# KiCad board porcupine_4thumb_keys_routed.kicad_pcb (continued)
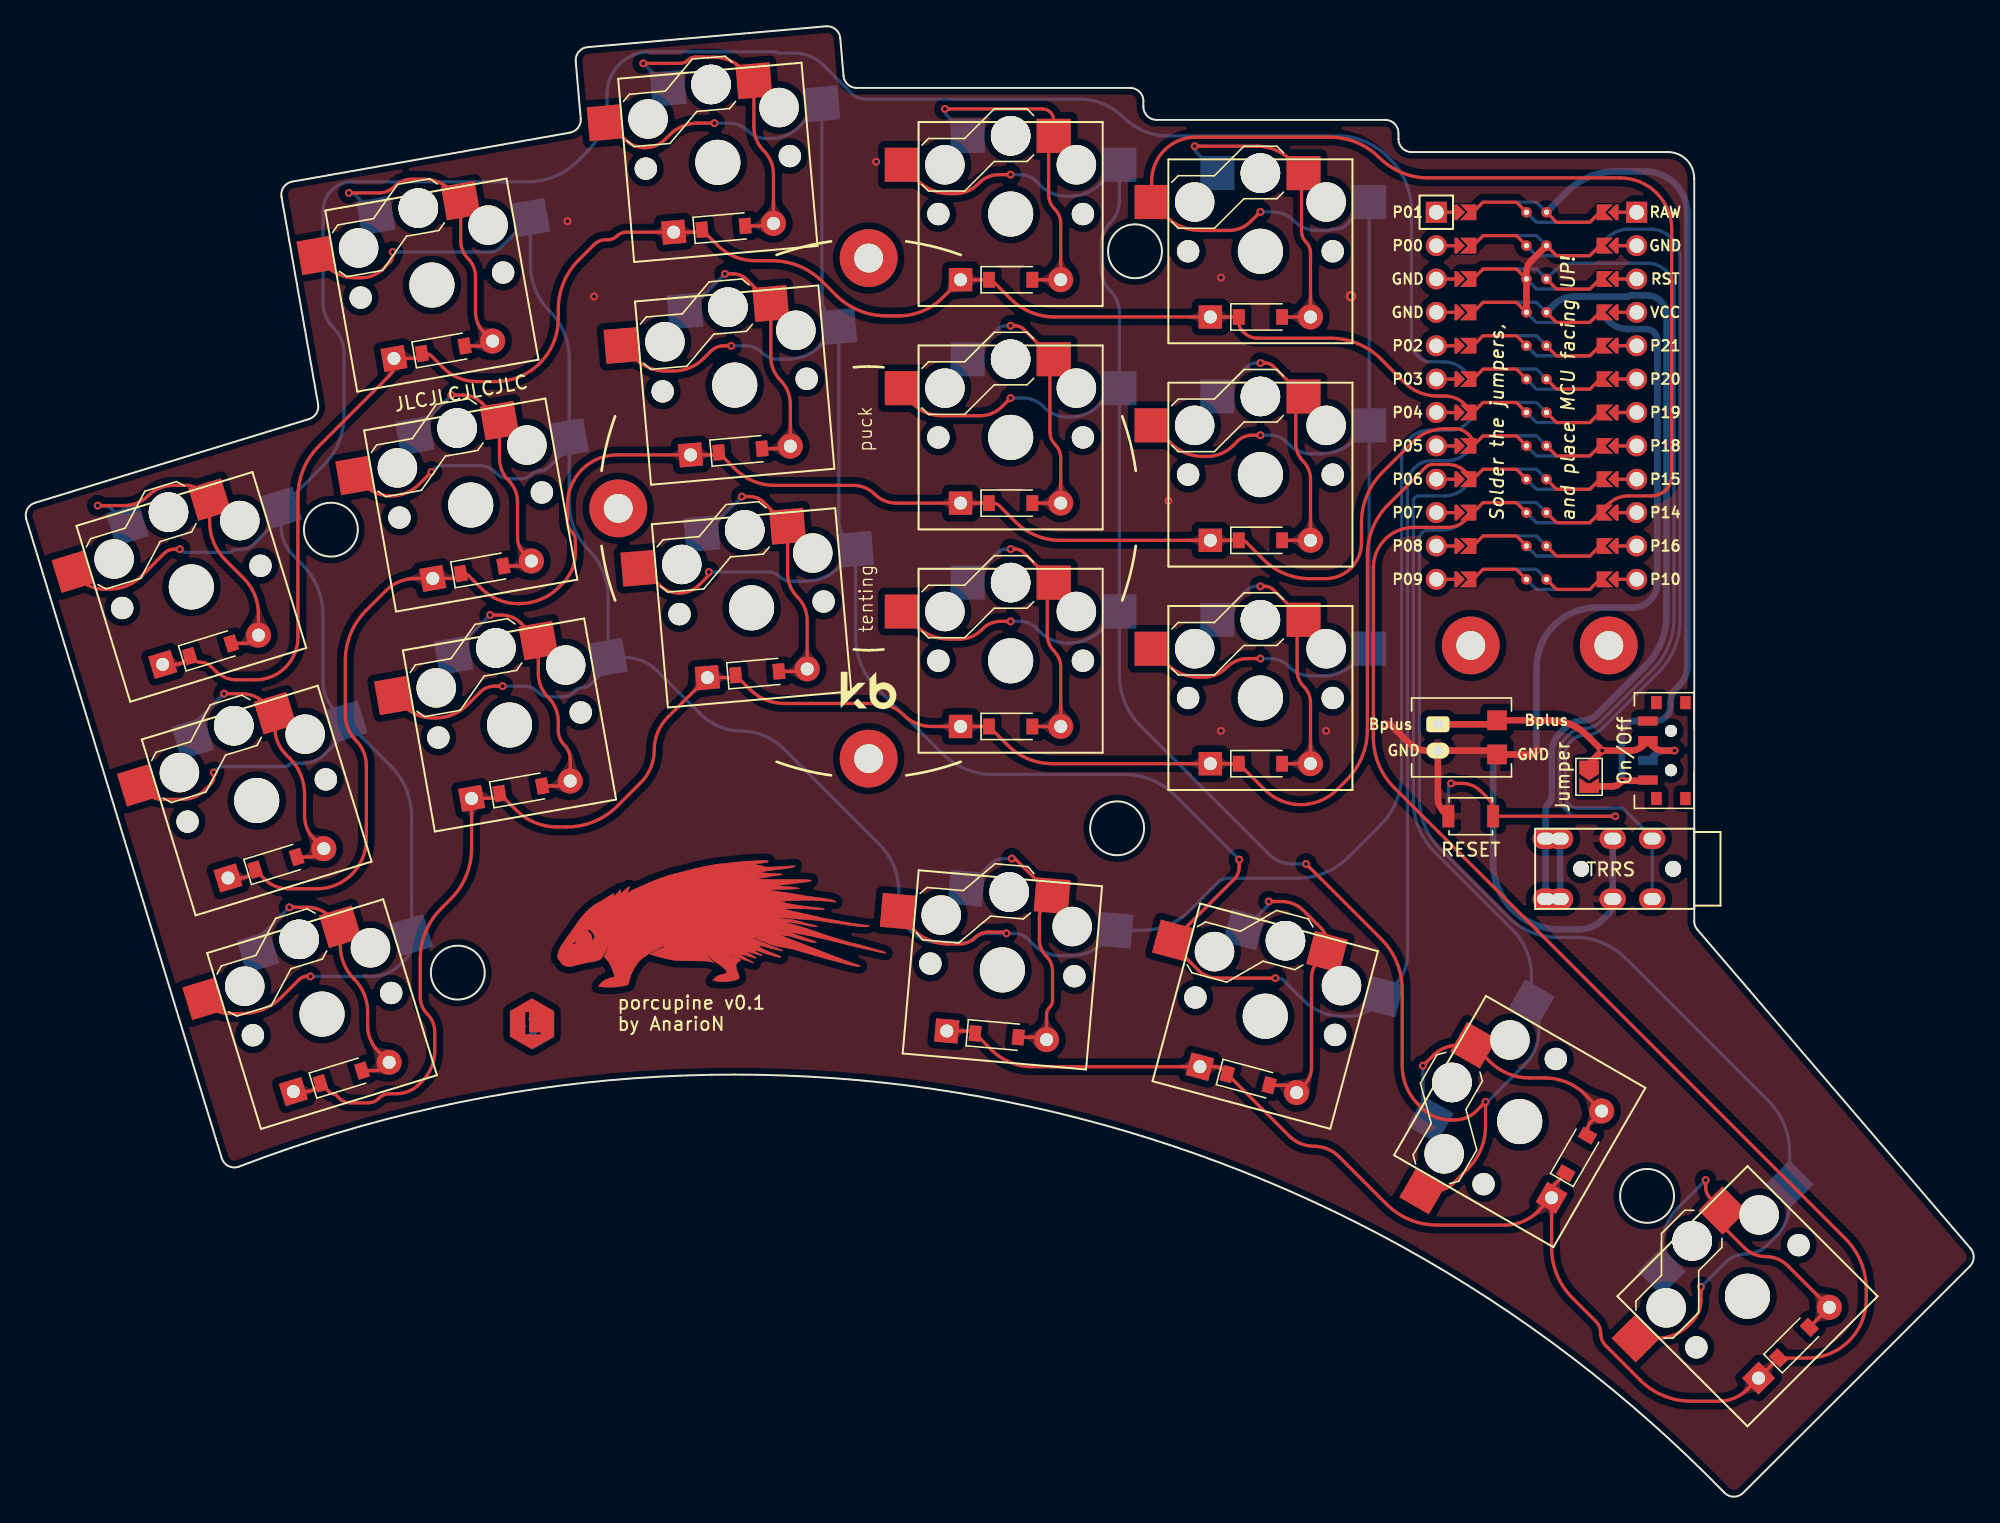
[diagram p0: board, top side]
## Routing (per net, layer and track width the routed paths; a pad name or vN(x,y) marks a point on that pad's centre or on a via; arc(x,y) is an arc through that point) (continued)
  Bottom w0.25: v1(94.51,45.3) 94.51,45.18 arc(94.49,45.07) 94.43,44.97 S17.1 ; 94.54,31.32 95.68,31.32 arc(96.04,31.24) 96.35,31.04 96.63,30.76
P0: length 65.4
  Bottom w0.25: MCU1.23 120.33,95.85 arc(121.02,96.31) 121.84,96.47 123.53,96.47 arc(124.4,96.3) 125.13,95.81 arc(125.62,95.08) 125.79,94.21 125.79,66.65 arc(125.38,64.57) 124.2,62.81 119.86,58.47 arc(119.31,58.1) 118.67,57.97 118.6,57.97 arc(118.01,57.86) 117.52,57.52 117.4,57.41 arc(117.15,57.04) 117.07,56.6 117.07,53.37 arc(117.14,53) 117.35,52.69 arc(117.66,52.49) 118.02,52.42 121.24,52.42 arc(121.41,52.38) 121.55,52.29 123.65,50.19 arc(123.67,50.16) 123.68,50.13 TRRS_B.R2
P4: length 144.1
  Top w0.25: 10.37,63.35 11.36,63.35 arc(11.77,63.43) 12.12,63.67 12.2,63.74 arc(12.44,63.84) 12.68,63.74 arc(12.95,63.56) 13.26,63.5 13.33,63.5 arc(13.71,63.43) 14.03,63.21 14.4,62.84 arc(15.14,62.35) 16,62.17 17.42,62.17 arc(18.66,62.42) 19.72,63.12 arc(20.42,64.18) 20.67,65.42 20.67,76.12 arc(21.08,78.2) 22.26,79.97 27.63,85.34 arc(27.88,85.71) 27.97,86.16 arc(28.11,86.49) 28.45,86.63 29.46,86.63 arc(29.7,86.68) 29.91,86.82 arc(30.12,86.96) 30.36,87.01 30.36,87.01 arc(30.61,86.96) 30.82,86.82 31.7,85.94 arc(32.88,85.15) 34.28,84.87 35.69,84.87 arc(37.52,85.24) 39.07,86.27 arc(40.1,87.82) 40.47,89.65 40.47,90.38 arc(40.87,92.41) 42.02,94.12 43.18,95.29 arc(43.61,95.57) 44.12,95.67 44.26,95.67 arc(44.64,95.75) 44.95,95.96 arc(45.27,96.17) 45.64,96.25 49.25,96.25 51.08,96.25 arc(51.2,96.27) 51.3,96.34 arc(51.4,96.38) 51.49,96.34 52.58,95.25 arc(53.88,94.38) 55.43,94.07 56.71,94.07 arc(58.79,93.66) 60.56,92.48 61.57,91.47 arc(63.34,90.29) 65.42,89.87 66.37,89.87 arc(68.17,90.23) 69.69,91.25 71.07,92.62 73.32,92.62 arc(73.41,92.61) 73.48,92.56 74.83,91.21 arc(76.4,90.16) 78.25,89.79 90.07,89.79 92.03,89.79 arc(92.17,89.73) 92.23,89.6 92.23,89.4 arc(92.3,89.04) 92.5,88.74 92.65,88.59 arc(93.11,88.28) 93.66,88.17 99.21,88.17 arc(101.29,87.76) 103.06,86.58 104.83,84.81 arc(105.98,84.04) 107.33,83.77 107.91,83.77 arc(108.73,83.61) 109.42,83.15 MCU1.18
  Bottom w0.25: 71.07,92.62 73.23,92.62 ; 51.4,96.43 51.3,96.34 arc(51.2,96.27) 51.08,96.25 49.25,96.25 ; 27.97,86.63 29.46,86.63 arc(29.7,86.68) 29.91,86.82 30.1,87.01 ; 12.44,63.98 12.12,63.67 arc(11.77,63.43) 11.36,63.35 10.37,63.35 ; 90.07,89.79 92.23,89.79
P5: length 148.1
  Top w0.25: 15.34,47.09 16.33,47.09 arc(16.74,47.17) 17.09,47.41 arc(17.41,47.54) 17.73,47.41 18.14,47 arc(18.94,46.46) 19.89,46.27 22.11,46.27 arc(23.55,46.56) 24.77,47.37 arc(25.58,48.59) 25.87,50.03 25.87,55.64 arc(25.66,56.69) 25.07,57.57 arc(24.47,58.46) 24.27,59.51 24.27,63.62 arc(24.68,65.7) 25.86,67.47 27.35,68.96 arc(28.38,69.65) 29.6,69.89 30.92,69.89 32.41,69.89 arc(32.65,69.94) 32.86,70.08 32.9,70.12 arc(33.07,70.23) 33.26,70.27 arc(33.46,70.23) 33.62,70.12 34.62,69.12 arc(35.89,68.27) 37.39,67.97 37.52,67.97 arc(39.13,68.3) 40.5,69.21 40.81,69.52 arc(41.52,70.58) 41.77,71.82 41.77,72.75 arc(41.69,73.14) 41.47,73.47 arc(41.24,73.81) 41.17,74.2 41.17,75.51 arc(41.45,76.95) 42.28,78.18 arc(43.5,79) 44.95,79.29 50.53,79.29 52.36,79.29 arc(52.48,79.32) 52.59,79.39 52.67,79.47 arc(52.68,79.47) 52.68,79.47 arc(52.68,79.46) 52.69,79.45 53.92,78.22 arc(55.3,77.3) 56.93,76.97 62.91,76.97 arc(63.79,76.8) 64.54,76.3 arc(65.29,75.8) 66.17,75.62 71.07,75.62 73.52,75.62 arc(73.79,75.57) 74.03,75.42 75.23,74.21 arc(76.8,73.16) 78.65,72.79 90.07,72.79 92.44,72.79 arc(92.63,72.75) 92.8,72.64 94.11,71.33 arc(95.72,70.25) 97.63,69.87 98.84,69.87 arc(99.88,70.08) 100.77,70.67 arc(101.36,71.56) 101.57,72.61 101.57,74.12 arc(101.98,76.2) 103.16,77.97 105.48,80.28 arc(106.57,81.02) 107.87,81.27 108.71,81.27 arc(109.22,81.17) 109.66,80.88 109.87,80.67 arc(110,80.47) 110.05,80.23 MCU1.17
  Bottom w0.25: 90.07,72.79 92.23,72.79 ; 17.41,47.72 17.09,47.41 arc(16.74,47.17) 16.33,47.09 15.34,47.09 ; 30.92,69.89 32.41,69.89 arc(32.65,69.94) 32.86,70.08 33.05,70.27 ; 50.53,79.29 52.36,79.29 arc(52.48,79.32) 52.59,79.39 52.68,79.48 ; 71.07,75.62 73.23,75.62
P6: length 152.2
  Top w0.25: 20.31,30.84 21.3,30.84 arc(21.71,30.92) 22.06,31.15 arc(22.38,31.28) 22.7,31.15 23.07,30.78 arc(23.18,30.7) 23.32,30.67 arc(23.46,30.65) 23.57,30.57 23.82,30.32 arc(24.2,30.06) 24.66,29.97 25.97,29.97 arc(26.43,30.06) 26.82,30.32 arc(27.2,30.58) 27.66,30.67 28.17,30.67 arc(29.09,30.86) 29.87,31.38 30.12,31.62 arc(30.82,32.68) 31.07,33.92 31.07,35.4 arc(30.92,36.11) 30.52,36.72 arc(30.11,37.33) 29.97,38.05 29.97,40.92 arc(30.38,43) 31.56,44.77 32.28,45.49 arc(33.46,47.25) 33.87,49.34 33.87,53.15 35.36,53.15 arc(35.61,53.2) 35.81,53.34 arc(36,53.42) 36.19,53.34 37.28,52.25 arc(38.69,51.31) 40.36,50.97 41.11,50.97 arc(43.19,51.39) 44.96,52.57 46.73,54.34 arc(47.5,55.49) 47.77,56.84 arc(48.04,58.19) 48.8,59.33 51.81,62.34 53.64,62.34 arc(53.76,62.36) 53.87,62.43 arc(53.96,62.47) 54.06,62.43 55.04,61.45 arc(56.23,60.65) 57.64,60.37 64.63,60.37 arc(65.77,60.15) 66.74,59.5 arc(67.71,58.85) 68.85,58.62 71.07,58.62 73.23,58.62 74.64,57.21 arc(76.21,56.16) 78.06,55.79 90.07,55.79 92.23,55.79 94.2,53.81 arc(95.47,52.97) 96.96,52.67 arc(98.44,52.97) 99.71,53.81 100.42,54.53 arc(101.6,56.3) 102.02,58.38 102.02,71.67 arc(102.43,73.75) 103.61,75.52 106.44,78.35 arc(106.68,78.51) 106.96,78.57 108.13,78.57 arc(108.87,78.42) 109.49,78 MCU1.16
  Bottom w0.25: 33.87,53.15 35.36,53.15 arc(35.61,53.2) 35.81,53.34 36,53.53 ; 22.38,31.47 22.06,31.15 arc(21.71,30.92) 21.3,30.84 20.31,30.84 ; 90.07,55.79 92.23,55.79 ; 71.07,58.62 73.23,58.62 ; 53.96,62.53 53.87,62.43 arc(53.76,62.36) 53.64,62.34 51.81,62.34
P7: length 182.2
  Top w0.25: 116.03,23.15 116.03,22.36 ; 116.03,23.15 arc(115.95,22.78) 115.75,22.47 ; 116.03,23.15 arc(116.1,23.51) 116.31,23.82 117.11,24.62 ; 116.03,22.36 116.03,18.97 arc(116.44,16.89) 117.62,15.12 119.38,13.36 arc(119.67,12.93) 119.77,12.42 arc(119.87,11.92) 120.16,11.49 122.77,8.87 arc(124.54,7.69) 126.62,7.27 128.77,7.27 arc(129.92,7.5) 130.89,8.15 132.92,10.17 arc(133.34,10.46) 133.84,10.56 135.5,10.56 arc(137.21,10.9) 138.66,11.87 arc(139.63,13.31) 139.97,15.03 139.97,15.8 arc(139.55,17.88) 138.37,19.65 104.06,53.96 arc(102.88,55.72) 102.47,57.81 102.47,70.7 arc(102.7,71.88) 103.37,72.87 arc(104.37,73.54) 105.54,73.78 108.13,73.78 arc(108.87,73.92) 109.49,74.34 MCU1.15 ; 116.03,22.36 arc(115.93,22.51) 115.75,22.47 ; 70.02,35.45 71.85,35.45 arc(71.97,35.42) 72.08,35.35 73.44,33.99 arc(74.84,33.06) 76.49,32.73 89.27,32.73 90.4,32.73 arc(90.77,32.66) 91.08,32.45 96.07,27.46 arc(96.94,26.88) 97.96,26.67 arc(98.98,26.47) 99.85,25.89 103.47,22.27 arc(105.24,21.09) 107.32,20.67 112.48,20.67 arc(113.83,20.94) 114.99,21.71 115.75,22.47
  Bottom w0.25: 72.17,35.26 72.08,35.35 arc(71.97,35.42) 71.85,35.45 70.02,35.45 ; 117.11,24.62 116.31,23.82 arc(116.1,23.51) 116.03,23.15 116.03,22.75 ; 89.27,32.73 90.4,32.73 arc(90.77,32.66) 91.08,32.45 91.36,32.17 ; 131.77,9.03 133.3,10.56
P14: length 250.6
  Top w0.25: S14.2 85.65,81.54 arc(85.7,81.53) 85.73,81.51 87.04,80.2 arc(88.18,79.44) 89.52,79.17 89.82,79.17 arc(90.88,79.38) 91.77,79.98 92.13,80.33 arc(92.63,80.67) 93.23,80.79 v1(93.88,80.79) ; MCU1.10 119.7,74.91 arc(119.7,74.91) 119.71,74.91 120.34,75.54 arc(121.03,76.01) 121.86,76.17 123.63,76.17 arc(124.22,76.29) 124.72,76.62 arc(125.05,77.12) 125.17,77.71 125.17,96.45 arc(124.87,97.95) 124.02,99.22 arc(122.74,100.08) 121.24,100.37 106.66,100.37 arc(104.63,100.78) 102.92,101.92 arc(101.2,103.07) 99.17,103.47 88.96,103.47 arc(87.67,103.22) 86.58,102.49 arc(85.86,101.4) 85.6,100.12 85.6,99.31 arc(85.74,98.6) 86.14,98 86.69,97.46 arc(87.89,96.66) 89.3,96.37 91.46,96.37 arc(92.38,96.56) 93.17,97.08 v1(93.88,97.79) ; v1(93.88,63.79) 92.93,63.79 arc(92.06,63.62) 91.31,63.12 91.27,63.08 arc(90.49,62.56) 89.56,62.37 89.17,62.37 arc(87.88,62.63) 86.78,63.36 S13.2 ; S19.2 124.08,12.06 arc(125.35,12.31) 126.42,13.03 126.7,13.31 arc(127.21,14.08) 127.39,14.98 v1(127.39,15.97)
  Bottom w0.25: v1(127.39,15.97) 129.24,17.81 arc(129.97,18.3) 130.83,18.47 arc(131.7,18.65) 132.43,19.13 133.09,19.8 arc(133.86,20.95) 134.13,22.3 134.13,26.26 arc(133.71,28.34) 132.53,30.11 121.66,40.98 arc(119.89,42.16) 117.81,42.57 116.52,42.57 arc(114.44,42.99) 112.67,44.17 107.56,49.28 arc(106.38,51.05) 105.97,53.13 105.97,72.89 arc(106.02,73.15) 106.17,73.37 arc(106.39,73.52) 106.65,73.57 107.73,73.57 arc(108.6,73.75) 109.33,74.24 109.97,74.88 arc(110,74.9) 110.02,74.9 MCU1.10 ; 101.61,81 101.07,80.46 arc(99.87,79.66) 98.45,79.37 97.77,79.37 arc(96.84,79.56) 96.06,80.08 95.87,80.27 arc(95.29,80.66) 94.61,80.79 v1(93.88,80.79) ; 101.61,81 arc(101.96,81.07) 102.15,80.77 ; 101.61,81 arc(102.01,81.6) 102.15,82.31 ; 102.15,80.77 102.15,66 arc(101.88,64.65) 101.12,63.51 arc(99.97,62.74) 98.62,62.47 97.7,62.47 arc(96.84,62.65) 96.11,63.13 96.01,63.23 arc(95.39,63.65) 94.66,63.79 v1(93.88,63.79) ; 102.15,80.77 102.15,82.31 ; 102.15,82.31 S15.2 100.38,96.76 arc(100.05,96.55) 99.68,96.47 99.34,96.47 arc(99.27,96.46) 99.22,96.42 arc(99.16,96.39) 99.1,96.37 98.17,96.37 arc(97.24,96.56) 96.46,97.08 96.41,97.13 arc(95.68,97.62) 94.81,97.79 v1(93.88,97.79)
P15: length 211
  Top w0.25: v1(74.88,100.62) 74,100.62 arc(73.18,100.46) 72.49,100 72.39,99.9 arc(71.59,99.36) 70.64,99.17 70.23,99.17 arc(68.91,99.44) 67.79,100.19 S12.2 ; S10.2 67.65,66.32 arc(68.82,65.55) 70.19,65.27 71.01,65.27 arc(71.89,65.45) 72.64,65.95 72.76,66.07 arc(73.38,66.48) 74.1,66.62 v1(74.88,66.62) ; v1(97.35,48.16) 103.07,42.44 arc(104.25,40.67) 104.67,38.59 104.67,32.77 arc(104.98,31.2) 105.87,29.87 106.16,29.58 arc(107.16,28.91) 108.35,28.67 108.65,28.67 arc(109.55,28.85) 110.31,29.36 v1(111,30.05) 111,28.18 arc(110.66,26.45) 109.68,24.99 108.57,23.88 arc(107.89,23.42) 107.09,23.26 S18.2 ; v1(74.88,83.62) 74.2,82.95 arc(73.46,82.45) 72.57,82.27 69.61,82.27 arc(68.46,82.5) 67.48,83.16 66.72,83.92 arc(66.63,84.05) 66.6,84.21 S11.2
  Bottom w0.25: v1(74.88,66.62) 75.6,66.62 arc(76.26,66.49) 76.83,66.12 77.14,65.8 arc(78.06,65.19) 79.13,64.97 79.36,64.97 arc(80.65,65.23) 81.74,65.96 S10.2 ; v1(74.88,100.62) 75.6,100.62 arc(76.26,100.49) 76.83,100.12 77.14,99.8 arc(78.06,99.19) 79.13,98.97 79.36,98.97 arc(80.65,99.23) 81.74,99.96 S12.2 83.15,98.64 arc(82.97,97.73) 82.46,96.97 arc(81.95,96.2) 81.77,95.29 81.77,93.45 arc(81.95,92.55) 82.46,91.78 arc(82.97,91.01) 83.15,90.11 83.15,84.52 ; S10.2 83.15,62.53 arc(83.57,60.45) 84.75,58.68 94.53,48.9 arc(95.35,48.35) 96.31,48.16 v1(97.35,48.16) ; S10.2 83.15,84.23 ; 83.15,84.23 83.15,84.52 ; 83.15,84.23 arc(83.11,84.33) 83.01,84.37 ; 83.15,84.52 arc(83.11,84.42) 83.01,84.37 ; MCU1.9 109.42,76.81 arc(108.72,76.34) 107.89,76.17 105.94,76.17 arc(105.78,76.14) 105.64,76.05 arc(105.55,75.91) 105.52,75.75 105.52,52.94 arc(105.93,50.86) 107.11,49.09 113.04,43.17 arc(114.11,41.56) 114.49,39.65 114.49,38 arc(114.57,37.63) 114.78,37.31 arc(114.99,36.99) 115.07,36.61 115.07,35.5 arc(114.79,34.09) 113.99,32.9 111.2,30.1 arc(111.14,30.07) 111.07,30.05 v1(111,30.05) ; v1(74.88,83.62) 75.8,83.62 arc(76.65,83.45) 77.37,82.97 77.44,82.9 arc(78.24,82.36) 79.19,82.17 79.42,82.17 arc(80.57,82.4) 81.55,83.06 82.77,84.27 arc(82.88,84.35) 83.01,84.37
P18: length 208.2
  Top w0.25: v1(51.92,70.38) 51.92,70.25 arc(51.9,70.14) 51.83,70.04 51.2,69.41 arc(50.5,68.94) 49.67,68.77 arc(48.84,68.94) 48.13,69.41 46.97,70.57 arc(46.86,70.64) 46.74,70.67 S7.2 ; S9.2 44.15,104.57 arc(44.26,104.55) 44.35,104.49 45.53,103.31 arc(46.24,102.84) 47.07,102.67 arc(47.9,102.84) 48.6,103.31 48.95,103.66 arc(49.93,104.32) 51.09,104.55 v1(52.34,104.55) ; v1(92.26,48.49) 92.26,47.93 arc(92.16,47.42) 91.87,46.98 87.34,42.45 arc(87.25,42.32) 87.22,42.17 arc(87.25,42.01) 87.34,41.88 89.16,40.06 arc(89.82,39.62) 90.59,39.47 v1(95.02,39.47) ; S8.2 46.29,86.65 arc(47.37,85.93) 48.64,85.67 49.21,85.67 arc(50.46,85.92) 51.53,86.63 52.08,87.19 arc(52.53,87.49) 53.06,87.59 v1(53.63,87.59)
  Bottom w0.25: 61.8,89.04 61.8,74.3 arc(61.97,73.46) 62.45,72.75 63.05,72.15 ; 61.8,89.04 arc(61.8,89.01) 61.79,88.99 60.39,87.6 arc(59.26,86.84) 57.92,86.57 57.19,86.57 arc(56.52,86.71) 55.96,87.08 arc(55.39,87.46) 54.72,87.59 v1(53.63,87.59) ; 61.8,89.04 arc(61.8,89.06) 61.79,89.08 ; 61.8,89.04 arc(61.8,89.06) 61.79,89.08 ; v1(52.34,104.55) 53.46,104.55 arc(54.23,104.39) 54.88,103.96 arc(55.53,103.53) 56.3,103.37 56.67,103.37 arc(57.79,103.6) 58.73,104.23 S9.2 60.52,91.25 arc(60.69,90.41) 61.16,89.7 61.79,89.08 ; v1(92.26,48.49) 87.37,53.38 arc(85.61,54.56) 83.52,54.97 73.52,54.97 arc(71.44,55.39) 69.67,56.57 64.68,61.56 arc(63.5,63.33) 63.09,65.41 63.09,72.05 ; 63.09,72.05 arc(63.08,72.11) 63.05,72.15 ; 63.09,72.05 arc(63.08,72) 63.05,71.95 61.86,70.77 arc(60.65,69.96) 59.22,69.67 58.17,69.67 arc(57.7,69.77) 57.31,70.03 arc(56.92,70.29) 56.46,70.38 v1(51.92,70.38) ; 63.09,72.05 arc(63.08,72.11) 63.05,72.15 ; v1(95.02,39.47) 95.25,39.47 arc(95.45,39.43) 95.63,39.31 97.18,37.76 arc(98.49,36.88) 100.05,36.57 100.68,36.57 arc(101.65,36.77) 102.47,37.31 104.14,38.98 arc(104.82,40.01) 105.07,41.23 105.07,77.01 arc(105.21,77.72) 105.61,78.31 arc(106.21,78.71) 106.91,78.86 108.13,78.86 arc(108.87,79) 109.49,79.42 MCU1.8
P19: length 211.8
  Top w0.25: v1(36.24,61.69) 35.61,61.69 arc(35.03,61.57) 34.54,61.25 33.59,60.3 arc(32.46,59.54) 31.12,59.27 30.89,59.27 arc(29.77,59.5) 28.82,60.13 S4.2 ; S6.2 22.9,93.62 arc(23.85,93) 24.96,92.77 25.47,92.77 arc(26.39,92.96) 27.17,93.48 27.67,93.98 arc(27.82,94.2) 27.87,94.46 v1(27.87,94.74) ; v1(30.82,78) 29.86,77.03 arc(28.91,76.4) 27.78,76.17 27.67,76.17 arc(26.65,76.38) 25.78,76.95 S5.2 ; S16.2 66.33,44.43 arc(66.36,44.32) 66.42,44.22 67.47,43.17 arc(68.68,42.36) 70.12,42.07 71.03,42.07 arc(71.62,42.19) 72.12,42.52 arc(72.61,42.86) 73.2,42.97 74.4,42.97 arc(74.46,42.96) 74.52,42.92 v1(74.57,42.87)
  Bottom w0.25: v1(30.82,78) 31.06,78.24 arc(31.32,78.41) 31.64,78.47 34.46,78.47 arc(35.11,78.34) 35.67,77.97 arc(36.22,77.6) 36.87,77.47 37.64,77.47 arc(38.03,77.55) 38.37,77.77 38.38,77.79 arc(38.7,78) 39.07,78.07 arc(39.44,78.15) 39.75,78.36 41.06,79.67 arc(41.24,79.94) 41.3,80.26 ; 44.26,64.22 44.26,68.5 arc(43.87,70.43) 42.78,72.06 arc(41.69,73.7) 41.3,75.62 41.3,80.26 ; 44.26,64.22 44.26,63.51 ; 44.26,64.22 arc(44.36,63.97) 44.61,63.87 ; MCU1.7 110.05,82.34 arc(110.02,82.17) 109.92,82.03 109.56,81.67 arc(109.01,81.3) 108.37,81.17 106.75,81.17 arc(105.93,81.01) 105.24,80.55 arc(104.78,79.86) 104.62,79.04 104.62,54.98 arc(104.2,52.9) 103.02,51.13 100.56,48.67 arc(98.79,47.49) 96.71,47.07 91.47,47.07 arc(91,46.98) 90.61,46.72 88.48,44.59 arc(86.85,43.5) 84.91,43.11 83.51,43.11 arc(82.87,42.99) 82.34,42.63 81.85,42.14 arc(80.78,41.43) 79.51,41.17 78.67,41.17 arc(77.56,41.39) 76.62,42.02 76.19,42.45 arc(75.72,42.76) 75.17,42.87 v1(74.57,42.87) 73.06,42.87 arc(72.6,42.78) 72.22,42.52 arc(71.83,42.26) 71.37,42.17 69.44,42.17 arc(68.26,42.41) 67.27,43.07 arc(66.6,44.07) 66.37,45.25 66.37,46.07 arc(65.98,48.01) 64.88,49.66 57.57,56.97 arc(56.13,57.93) 54.42,58.27 arc(52.71,58.61) 51.26,59.58 47.94,62.9 arc(46.87,63.62) 45.62,63.87 44.61,63.87 ; 41.3,80.43 41.3,80.26 ; 41.3,80.43 41.3,80.78 ; 41.3,80.43 41.3,80.26 ; 41.3,80.43 41.3,80.78 ; 41.3,80.78 41.3,80.96 ; 41.3,80.78 41.3,80.96 ; v1(27.87,94.74) 35.28,94.74 arc(35.71,94.82) 36.07,95.06 37.21,96.2 arc(37.94,96.35) 38.35,95.73 38.35,93.78 arc(38.74,91.85) 39.83,90.21 arc(40.92,88.58) 41.3,86.65 41.3,82 ; 41.3,82 41.3,81.3 ; 41.3,82 41.3,81.3 ; 41.3,81.3 41.3,80.96 ; 41.3,81.3 41.3,80.96 ; 44.26,63.51 arc(44.36,63.76) 44.61,63.87 ; 44.26,63.51 arc(44.19,63.19) 44.01,62.91 42.91,61.82 arc(42.64,61.64) 42.32,61.57 arc(41.99,61.51) 41.72,61.33 41.62,61.22 arc(41.23,60.96) 40.77,60.87 39.84,60.87 arc(39.31,60.98) 38.86,61.28 arc(38.41,61.58) 37.87,61.69 v1(36.24,61.69)
P20: length 230.2
  Top w0.25: S3.2 4.21,69.74 arc(4.96,69.25) 5.83,69.07 6.33,69.07 arc(7.66,69.34) 8.79,70.09 10.5,71.81 arc(10.84,72.03) 11.24,72.11 v1(11.68,72.11) ; v1(14.26,55.13) 14.26,54.8 arc(14.2,54.49) 14.02,54.23 13.56,53.77 arc(12.79,53.25) 11.88,53.07 10.36,53.07 arc(9.66,53.21) 9.06,53.61 S2.2 ; S1.2 14.05,37.34 arc(14.67,36.92) 15.41,36.77 16.39,36.77 arc(18.03,37.1) 19.42,38.03 20.77,39.38 arc(21.02,39.54) 21.31,39.6 v1(21.62,39.6)
  Bottom w0.25: 19.37,74.92 19.37,73.91 arc(19.62,72.67) 20.32,71.62 20.97,70.97 arc(22.15,69.2) 22.57,67.12 22.57,62.03 arc(22.8,60.87) 23.45,59.88 24.04,59.29 ; 19.37,74.92 arc(19.43,75.23) 19.61,75.49 ; 19.37,74.92 arc(19.31,74.61) 19.14,74.34 17.26,72.47 arc(16.83,72.18) 16.32,72.08 15.92,72.08 arc(15.78,72.05) 15.67,71.98 arc(15.56,71.9) 15.42,71.87 12.09,71.87 arc(11.93,71.91) 11.8,71.99 v1(11.68,72.11) ; 19.37,74.92 arc(19.43,75.23) 19.61,75.49 ; v1(14.26,55.13) 14.48,55.35 arc(14.73,55.52) 15.02,55.57 19.69,55.57 arc(19.85,55.61) 19.99,55.7 arc(20.13,55.79) 20.29,55.82 21.06,55.82 arc(21.94,56) 22.69,56.49 24.04,57.85 arc(24.27,58.18) 24.34,58.57 ; 19.61,75.49 22.57,78.45 arc(23.75,80.22) 24.17,82.3 24.17,87.04 arc(23.96,88.09) 23.37,88.97 arc(22.77,89.86) 22.57,90.91 22.57,97.85 arc(22.74,98.7) 23.22,99.42 arc(23.94,99.91) 24.79,100.07 38.11,100.07 arc(40.19,100.49) 41.96,101.67 42.68,102.39 arc(43.78,104.03) 44.17,105.97 44.17,106.73 arc(44.41,107.97) 45.12,109.02 arc(46.17,109.73) 47.41,109.97 57,109.97 arc(57.06,109.96) 57.12,109.92 arc(57.17,109.89) 57.24,109.87 58.44,109.87 arc(59.62,109.64) 60.61,108.97 62.8,106.78 arc(63.26,106.48) 63.79,106.37 80.09,106.37 arc(81.92,106.01) 83.47,104.97 arc(85.02,103.94) 86.85,103.57 99.71,103.57 arc(101.79,103.16) 103.56,101.98 103.77,101.77 arc(104.95,100) 105.37,97.92 105.37,87.91 arc(105.48,87.32) 105.82,86.82 arc(106.31,86.49) 106.9,86.37 107.81,86.37 arc(108.67,86.2) 109.39,85.72 MCU1.6 ; 24.64,58.7 27.72,55.62 arc(28.9,53.85) 29.31,51.77 29.31,42.06 arc(29.19,41.43) 28.83,40.9 28.42,40.49 arc(27.44,39.83) 26.28,39.6 v1(21.62,39.6) ; 24.64,58.7 24.04,59.29 ; 24.64,58.7 arc(24.45,58.73) 24.34,58.57 ; 24.04,59.29 arc(24.27,58.96) 24.34,58.57
pinky_bottom: length 24.4
  Top w0.25: 25.54,32.43 26.52,32.43 arc(26.94,32.51) 27.29,32.75 arc(27.42,33.06) 27.29,33.38 26.78,33.88 arc(26.18,34.79) 25.97,35.85 25.97,36.9 arc(25.7,38.26) 24.93,39.41 24.92,39.42 arc(24.16,40.56) 23.89,41.92 23.89,42.33 arc(23.7,43.3) 23.15,44.12 arc(22.33,44.67) 21.36,44.86 v1(20.01,44.86)
  Bottom w0.25: 27.6,33.06 27.29,32.75 arc(26.94,32.51) 26.52,32.43 25.54,32.43 ; S1.1 17.62,41.97 arc(17.72,42.43) 17.98,42.83 v1(20.01,44.86)
pinky_home: length 24.4
  Top w0.25: v1(15.04,61.12) 16.39,61.12 arc(17.36,60.92) 18.18,60.38 arc(18.73,59.56) 18.92,58.59 18.92,58.48 arc(19.13,57.41) 19.74,56.5 20.04,56.2 arc(20.87,54.95) 21.17,53.48 21.17,51.82 arc(21.36,50.86) 21.9,50.05 22.32,49.64 arc(22.45,49.32) 22.32,49 arc(21.97,48.77) 21.55,48.69 20.57,48.69
  Bottom w0.25: S2.1 12.65,58.23 arc(12.75,58.69) 13.01,59.09 v1(15.04,61.12) ; 20.57,48.69 21.55,48.69 arc(21.97,48.77) 22.32,49 22.63,49.32
pinky_top: length 28
  Top w0.25: 15.6,64.95 16.58,64.95 arc(17,65.03) 17.35,65.26 arc(17.58,65.61) 17.66,66.02 17.66,67.18 arc(17.37,68.66) 16.53,69.91 15.15,71.29 arc(14.26,72.62) 13.95,74.19 13.95,75.13 arc(13.81,75.83) 13.41,76.43 arc(12.81,76.83) 12.1,76.97 11.16,76.97 arc(10.15,76.77) 9.3,76.2 arc(8.44,75.63) 7.44,75.43 v1(5.44,75.43)
  Bottom w0.25: 17.66,65.58 17.35,65.26 arc(17,65.03) 16.58,64.95 15.6,64.95 ; v1(5.44,75.43) 5.83,75.43 arc(6.2,75.36) 6.51,75.15 S3.1
RAW: length 67.2
  Top w0.5: _3.1 123.32,54.52 arc(123.29,54.5) 123.26,54.49 v1(121.38,54.49) 121.17,54.28 arc(120.93,54.12) 120.65,54.07 J2.2
  Bottom w0.5: MCU1.1 117.2,99.32 arc(118.92,100.47) 120.95,100.87 123.12,100.87 arc(124.36,100.63) 125.42,99.92 arc(126.12,98.87) 126.37,97.63 126.37,63.29 arc(126.2,62.44) 125.72,61.72 125.55,61.56 arc(125.19,61.02) 125.07,60.39 125.07,60.18 arc(124.98,59.75) 124.73,59.37 arc(124.36,59.13) 123.92,59.04 122.33,59.04 arc(121.96,58.97) 121.66,58.76 arc(121.45,58.46) 121.38,58.09 v1(121.38,54.49) 121.17,54.28 arc(120.93,54.12) 120.65,54.07 J2.2
ring_bottom: length 24.3
  Top w0.25: 39.25,54.1 40.74,54.1 arc(40.98,54.15) 41.19,54.29 arc(41.33,54.49) 41.38,54.74 41.38,56.12 arc(41.26,56.71) 40.92,57.22 arc(40.59,57.72) 40.47,58.32 40.47,59 arc(40.27,59.99) 39.71,60.83 arc(39.15,61.67) 38.95,62.66 38.95,63.79 arc(38.7,65.06) 37.98,66.14 37.62,66.5 arc(36.94,66.95) 36.14,67.11 v1(35.28,67.11)
  Bottom w0.25: S4.1 32.5,64.18 arc(32.53,64.31) 32.6,64.43 v1(35.28,67.11) ; 41.38,54.47 41.19,54.29 arc(40.98,54.15) 40.74,54.1 39.25,54.1
ring_home: length 24.3
  Top w0.25: v1(32.33,83.85) 33.19,83.85 arc(33.99,83.69) 34.67,83.24 35.33,82.57 arc(35.82,81.83) 36,80.96 36,79.01 arc(36.18,78.12) 36.68,77.36 arc(37.19,76.6) 37.37,75.71 37.37,73.02 arc(37.5,72.33) 37.9,71.74 38.24,71.4 arc(38.32,71.21) 38.24,71.03 arc(38.03,70.89) 37.79,70.84 36.3,70.84
  Bottom w0.25: 36.3,70.84 37.79,70.84 arc(38.03,70.89) 38.24,71.03 38.43,71.21 ; S5.1 29.55,80.92 arc(29.57,81.05) 29.65,81.17 v1(32.33,83.85)
ring_top: length 27.8
  Top w0.25: 33.35,87.58 34.83,87.58 arc(35.08,87.63) 35.29,87.77 arc(35.36,87.96) 35.29,88.14 34.82,88.61 arc(34.34,89.33) 34.17,90.19 34.17,92.88 arc(34.02,93.61) 33.61,94.23 arc(33.19,94.86) 33.05,95.59 33.05,97.5 arc(32.83,98.56) 32.23,99.46 arc(31.33,100.06) 30.27,100.27 29.31,100.27 arc(28.62,100.14) 28.04,99.75 arc(27.47,99.37) 26.78,99.23 v1(24.54,99.23)
  Bottom w0.25: v1(24.54,99.23) 24.71,99.23 arc(24.86,99.2) 24.99,99.11 S6.1 ; 35.47,87.96 35.29,87.77 arc(35.08,87.63) 34.83,87.58 33.35,87.58
RST: length 75.4
  Top w0.25: v1(108.38,54.29) 109.21,54.29 arc(109.99,54.14) 110.64,53.7 111.23,53.11 arc(111.49,52.73) 111.58,52.28 111.58,52.03 arc(111.65,51.86) 111.82,51.79 v1(120.88,51.79)
  Bottom w0.25: MCU1.3 116.24,93.28 arc(116.9,93.72) 117.68,93.87 123.34,93.87 arc(124.1,93.72) 124.75,93.29 arc(125.19,92.64) 125.34,91.87 125.34,66.84 arc(124.93,64.76) 123.75,62.99 119.73,58.97 arc(119.18,58.6) 118.53,58.47 arc(117.88,58.35) 117.34,57.98 117.06,57.7 arc(116.73,57.21) 116.62,56.63 116.62,53.28 arc(116.71,52.83) 116.97,52.44 117.45,51.96 arc(117.63,51.83) 117.85,51.79 v1(120.88,51.79) ; _4_B.1 108.18,53.95 arc(108.2,54.08) 108.28,54.19 v1(108.38,54.29)

## Copper pours and planes (outline as drawn; the poured copper is in the pictures)
GND on Top: 157.47,-15.03 -25.03,-15.03 -25.03,117.47 157.47,117.47
GND on Bottom: 157.47,-15.03 -25.03,-15.03 -25.03,117.47 157.47,117.47
VCC on Bottom: 115.33,47.08 115.32,46.9 115.3,46.75 115.27,46.62 115.23,46.5 115.19,46.4 115.13,46.31 115,46.1 114.93,45.98 114.86,45.84 115.58,45.09 116.3,45.84 116.22,45.98 116.15,46.1 116.03,46.31 115.97,46.4 115.92,46.5 115.88,46.62 115.85,46.75 115.83,46.9 115.83,47.08
VCC on Bottom: 116.93,48.5 116.93,48.68 116.95,48.84 116.98,48.96 117.02,49.08 117.07,49.18 117.13,49.28 117.25,49.48 117.32,49.6 117.4,49.74 116.68,50.49 115.96,49.74 116.03,49.6 116.1,49.48 116.23,49.28 116.29,49.18 116.33,49.08 116.37,48.96 116.4,48.84 116.42,48.68 116.43,48.5
VCC on Bottom: 115.83,48.5 115.83,48.68 115.85,48.84 115.88,48.96 115.92,49.08 115.97,49.18 116.03,49.28 116.15,49.48 116.22,49.6 116.3,49.74 115.58,50.49 114.86,49.74 114.93,49.6 115,49.48 115.13,49.28 115.19,49.18 115.23,49.08 115.27,48.96 115.3,48.84 115.32,48.68 115.33,48.5
VCC on Bottom: 116.43,47.08 116.42,46.9 116.4,46.75 116.37,46.62 116.33,46.5 116.29,46.4 116.23,46.31 116.1,46.1 116.03,45.98 115.96,45.84 116.68,45.09 117.4,45.84 117.32,45.98 117.25,46.1 117.13,46.31 117.07,46.4 117.02,46.5 116.98,46.62 116.95,46.75 116.93,46.9 116.93,47.08
VCC on Bottom: 115.33,51.68 115.32,51.5 115.3,51.35 115.27,51.22 115.23,51.1 115.19,51 115.13,50.91 115,50.7 114.93,50.58 114.86,50.44 115.58,49.69 116.3,50.44 116.22,50.58 116.15,50.7 116.03,50.91 115.97,51 115.92,51.1 115.88,51.22 115.85,51.35 115.83,51.5 115.83,51.68
Bplus on Top: 108.57,59.04 108.43,59.04 108.32,59.05 108.22,59.07 108.14,59.09 108.06,59.12 107.98,59.15 107.91,59.19 107.74,59.28 107.64,59.33 107.08,58.79 107.64,58.25 107.74,58.3 107.91,58.39 107.98,58.43 108.06,58.46 108.14,58.49 108.22,58.51 108.32,58.53 108.43,58.54 108.57,58.54
Bplus on Top: 108.57,59.04 108.43,59.04 108.32,59.05 108.22,59.07 108.14,59.09 108.06,59.12 107.98,59.15 107.91,59.19 107.74,59.28 107.64,59.33 107.08,58.79 107.64,58.25 107.74,58.3 107.91,58.39 107.98,58.43 108.06,58.46 108.14,58.49 108.22,58.51 108.32,58.53 108.43,58.54 108.57,58.54
Bplus on Bottom: 108.57,59.04 108.43,59.04 108.32,59.05 108.22,59.07 108.14,59.09 108.06,59.12 107.98,59.15 107.91,59.19 107.74,59.28 107.64,59.33 107.08,58.79 107.64,58.25 107.74,58.3 107.91,58.39 107.98,58.43 108.06,58.46 108.14,58.49 108.22,58.51 108.32,58.53 108.43,58.54 108.57,58.54
Bplus on Bottom: 108.57,59.04 108.43,59.04 108.32,59.05 108.22,59.07 108.14,59.09 108.06,59.12 107.98,59.15 107.91,59.19 107.74,59.28 107.64,59.33 107.08,58.79 107.64,58.25 107.74,58.3 107.91,58.39 107.98,58.43 108.06,58.46 108.14,58.49 108.22,58.51 108.32,58.53 108.43,58.54 108.57,58.54
far_thumb on Top: 135.72,15.67 135.88,15.51 135.98,15.35 136.05,15.21 136.1,15.07 136.12,14.93 136.14,14.79 136.15,14.64 136.17,14.48 136.2,14.3 136.26,14.1 137.49,14.08 137.47,15.32 137.27,15.37 137.1,15.41 136.94,15.43 136.79,15.44 136.65,15.45 136.51,15.48 136.37,15.52 136.22,15.59 136.07,15.7 135.9,15.85
far_thumb on Top: 135.9,12.98 136.07,13.13 136.22,13.24 136.37,13.31 136.51,13.36 136.65,13.38 136.79,13.39 136.94,13.41 137.1,13.43 137.27,13.46 137.47,13.52 137.49,14.75 136.26,14.73 136.2,14.53 136.17,14.36 136.15,14.2 136.14,14.05 136.12,13.9 136.1,13.77 136.05,13.63 135.98,13.48 135.88,13.33 135.72,13.16
far_thumb on Bottom: 135.9,12.98 136.07,13.13 136.22,13.24 136.37,13.31 136.51,13.36 136.65,13.38 136.79,13.39 136.94,13.41 137.1,13.43 137.27,13.46 137.47,13.52 137.49,14.75 136.26,14.73 136.2,14.53 136.17,14.36 136.15,14.2 136.14,14.05 136.12,13.9 136.1,13.77 136.05,13.63 135.98,13.48 135.88,13.33 135.72,13.16
home_thumb on Top: 118.88,27.85 118.9,28.04 118.96,28.17 119.04,28.25 119.16,28.31 119.3,28.34 119.45,28.36 119.62,28.37 119.79,28.38 119.97,28.41 120.15,28.45 120.17,29.69 118.88,29.35 118.88,29.17 118.86,29.01 118.83,28.88 118.8,28.75 118.72,28.52 118.69,28.39 118.66,28.24 118.64,28.06 118.63,27.85
home_thumb on Top: 117.77,31.1 118.03,30.92 118.24,30.74 118.4,30.56 118.51,30.39 118.6,30.21 118.67,30.01 118.72,29.8 118.78,29.57 118.85,29.32 118.94,29.04 120.17,29.02 120.15,30.25 119.86,30.35 119.62,30.44 119.4,30.52 119.21,30.59 119.03,30.67 118.85,30.76 118.65,30.86 118.44,30.98 118.19,31.13 117.9,31.31
home_thumb on Bottom: 118.88,27.85 118.9,28.03 118.96,28.16 119.04,28.25 119.16,28.31 119.3,28.34 119.45,28.35 119.62,28.37 119.79,28.38 119.97,28.41 120.15,28.45 120.17,29.69 118.88,29.35 118.88,29.17 118.86,29.01 118.83,28.87 118.8,28.75 118.72,28.51 118.69,28.38 118.66,28.23 118.64,28.06 118.63,27.85
index_bottom on Top: 76.79,58.5 77.01,58.49 77.19,58.45 77.35,58.4 77.48,58.33 77.59,58.25 77.7,58.16 77.82,58.07 77.94,57.97 78.09,57.86 78.27,57.77 79.16,58.62 78.27,59.48 78.09,59.38 77.94,59.28 77.82,59.18 77.7,59.09 77.59,59 77.48,58.91 77.35,58.85 77.19,58.79 77.01,58.76 76.79,58.75
index_bottom on Top: 78.56,60.53 78.55,60.3 78.52,60.12 78.46,59.96 78.4,59.83 78.32,59.72 78.23,59.61 78.13,59.49 78.03,59.37 77.93,59.22 77.83,59.04 78.69,58.15 79.54,59.04 79.45,59.22 79.35,59.37 79.25,59.49 79.15,59.61 79.06,59.72 78.98,59.83 78.91,59.96 78.86,60.12 78.82,60.3 78.81,60.53
index_bottom on Bottom: 76.79,58.5 77.01,58.49 77.19,58.45 77.35,58.4 77.48,58.33 77.59,58.25 77.7,58.16 77.82,58.07 77.94,57.97 78.09,57.86 78.27,57.77 79.16,58.62 78.27,59.48 78.09,59.38 77.94,59.28 77.82,59.18 77.7,59.09 77.59,59 77.48,58.91 77.35,58.85 77.19,58.79 77.01,58.76 76.79,58.75
index_home on Top: 78.56,77.53 78.55,77.3 78.52,77.12 78.46,76.96 78.4,76.83 78.32,76.72 78.23,76.61 78.13,76.49 78.03,76.37 77.93,76.22 77.83,76.04 78.69,75.15 79.54,76.04 79.45,76.22 79.35,76.37 79.25,76.49 79.15,76.61 79.06,76.72 78.98,76.83 78.91,76.96 78.86,77.12 78.82,77.3 78.81,77.53
index_home on Top: 76.79,75.5 77.01,75.49 77.19,75.45 77.35,75.4 77.48,75.33 77.59,75.25 77.7,75.16 77.82,75.07 77.94,74.97 78.09,74.86 78.27,74.77 79.16,75.62 78.27,76.48 78.09,76.38 77.94,76.28 77.82,76.18 77.7,76.09 77.59,76 77.48,75.91 77.35,75.85 77.19,75.79 77.01,75.76 76.79,75.75
index_home on Bottom: 76.79,75.5 77.01,75.49 77.19,75.45 77.35,75.4 77.48,75.33 77.59,75.25 77.7,75.16 77.82,75.07 77.94,74.97 78.09,74.86 78.27,74.77 79.16,75.62 78.27,76.48 78.09,76.38 77.94,76.28 77.82,76.18 77.7,76.09 77.59,76 77.48,75.91 77.35,75.85 77.19,75.79 77.01,75.76 76.79,75.75
index_top on Top: 76.79,92.5 77.01,92.49 77.19,92.45 77.35,92.4 77.48,92.33 77.59,92.25 77.7,92.16 77.82,92.07 77.94,91.97 78.09,91.86 78.27,91.77 79.16,92.62 78.27,93.48 78.09,93.38 77.94,93.28 77.82,93.18 77.7,93.09 77.59,93 77.48,92.91 77.35,92.85 77.19,92.79 77.01,92.76 76.79,92.75
index_top on Top: 78.56,94.53 78.55,94.3 78.52,94.12 78.46,93.96 78.4,93.83 78.32,93.72 78.23,93.61 78.13,93.49 78.03,93.37 77.93,93.22 77.83,93.04 78.69,92.15 79.54,93.04 79.45,93.22 79.35,93.37 79.25,93.49 79.15,93.61 79.06,93.72 78.98,93.83 78.91,93.96 78.86,94.12 78.82,94.3 78.81,94.53
index_top on Bottom: 76.79,92.5 77.01,92.49 77.19,92.45 77.35,92.4 77.48,92.33 77.59,92.25 77.7,92.16 77.82,92.07 77.94,91.97 78.09,91.86 78.27,91.77 79.16,92.62 78.27,93.48 78.09,93.38 77.94,93.28 77.82,93.18 77.7,93.09 77.59,93 77.48,92.91 77.35,92.85 77.19,92.79 77.01,92.76 76.79,92.75
inner_bottom on Top: 97.56,57.69 97.55,57.47 97.52,57.28 97.46,57.13 97.4,57 97.32,56.89 97.23,56.78 97.13,56.66 97.03,56.53 96.93,56.39 96.83,56.21 97.69,55.31 98.54,56.21 98.45,56.39 98.35,56.53 98.25,56.66 98.15,56.78 98.06,56.89 97.98,57 97.91,57.13 97.86,57.28 97.82,57.47 97.81,57.69
inner_bottom on Top: 95.79,55.67 96.01,55.65 96.19,55.62 96.35,55.57 96.48,55.5 96.59,55.42 96.7,55.33 96.82,55.23 96.94,55.13 97.09,55.03 97.27,54.93 98.16,55.79 97.27,56.65 97.09,56.55 96.94,56.45 96.82,56.35 96.7,56.25 96.59,56.16 96.48,56.08 96.35,56.01 96.19,55.96 96.01,55.93 95.79,55.92
inner_bottom on Bottom: 95.79,55.67 96.01,55.65 96.19,55.62 96.35,55.57 96.48,55.5 96.59,55.42 96.7,55.33 96.82,55.23 96.94,55.13 97.09,55.03 97.27,54.93 98.16,55.79 97.27,56.65 97.09,56.55 96.94,56.45 96.82,56.35 96.7,56.25 96.59,56.16 96.48,56.08 96.35,56.01 96.19,55.96 96.01,55.93 95.79,55.92
inner_home on Top: 97.56,74.69 97.55,74.47 97.52,74.28 97.46,74.13 97.4,74 97.32,73.89 97.23,73.78 97.13,73.66 97.03,73.53 96.93,73.39 96.83,73.21 97.69,72.31 98.54,73.21 98.45,73.39 98.35,73.53 98.25,73.66 98.15,73.78 98.06,73.89 97.98,74 97.91,74.13 97.86,74.28 97.82,74.47 97.81,74.69
inner_home on Top: 95.79,72.67 96.01,72.65 96.19,72.62 96.35,72.57 96.48,72.5 96.59,72.42 96.7,72.33 96.82,72.23 96.94,72.13 97.09,72.03 97.27,71.93 98.16,72.79 97.27,73.65 97.09,73.55 96.94,73.45 96.82,73.35 96.7,73.25 96.59,73.16 96.48,73.08 96.35,73.01 96.19,72.96 96.01,72.93 95.79,72.92
